# Allegro board 1155001-Timing_board_V3_20241024_1805_pcb.brd (continued)
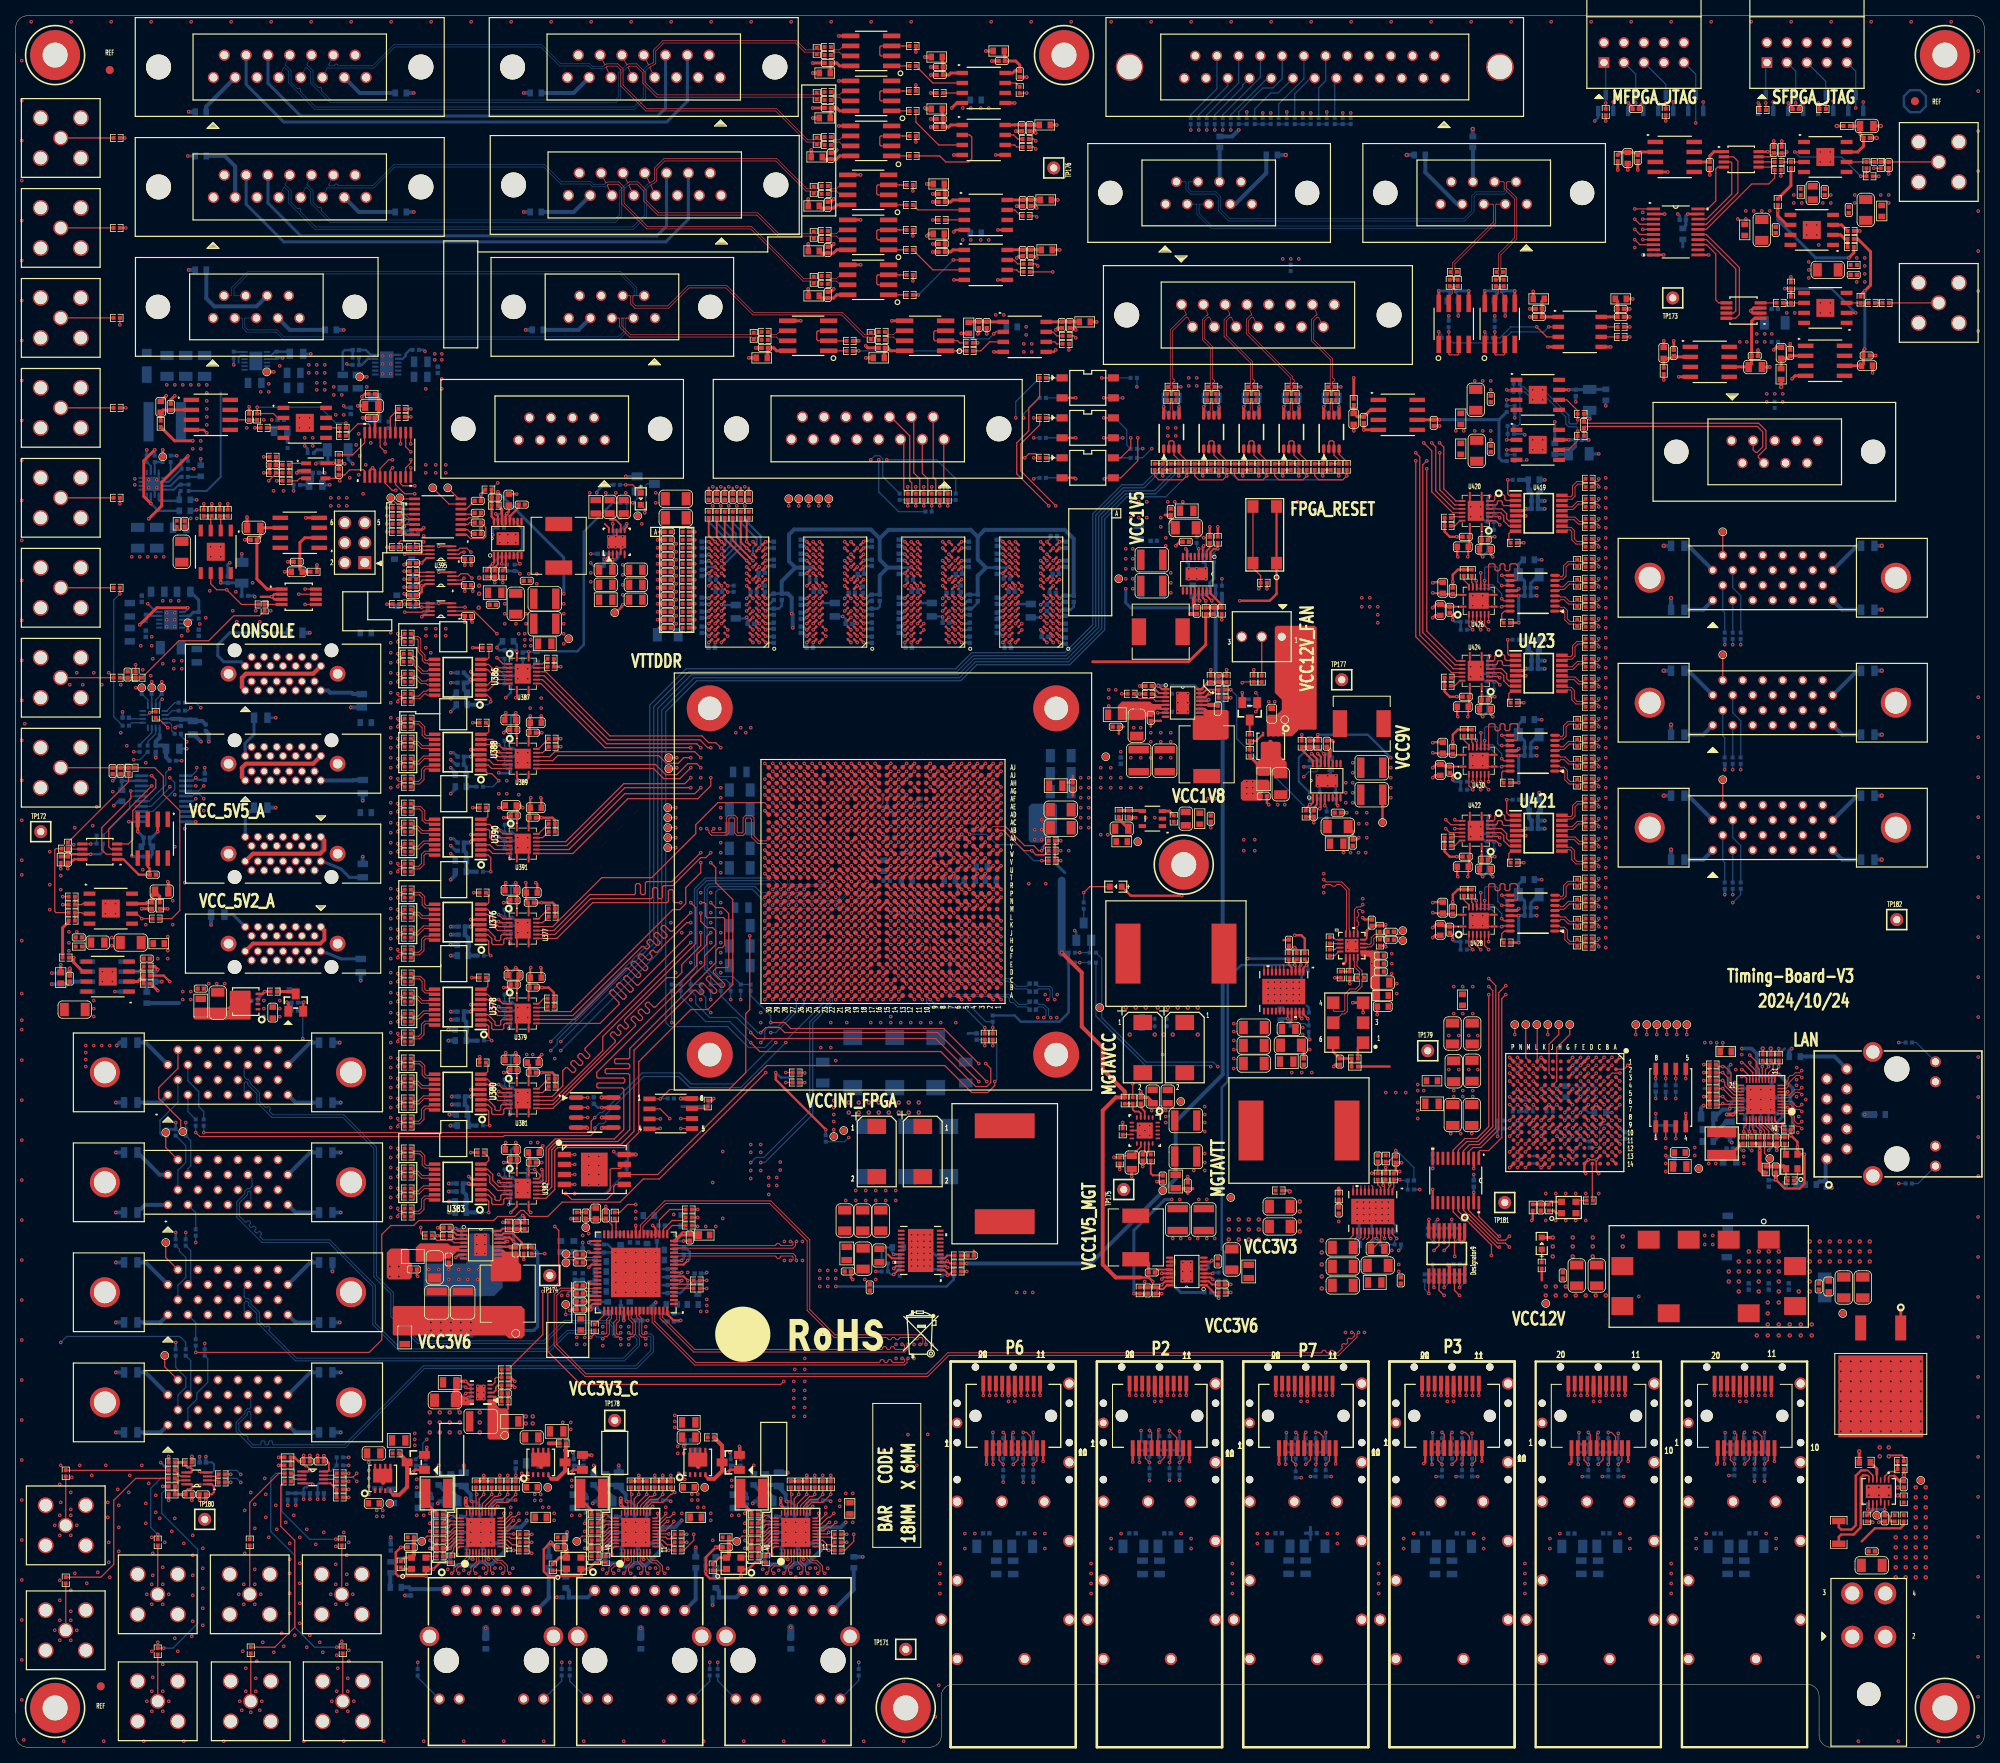
[diagram p0: board, top side]
## Routing (per net, layer and track width the routed paths; a pad name or vN(x,y) marks a point on that pad's centre or on a via; arc(x,y) is an arc through that point) (continued)
UART_RX_RS232: length 3.2
  TOP w0.157: U3.13 v1(49.4,156.01) 49.22,156.01 R2168.1
  BOTTOM w0.157: R2168.1 48.84,155.45 v1(49.4,156.01)
UART_TX: length 102.7
  TOP w0.157: R1922.1 v1(47.12,157.48) ; U247.F26 v1(99.14,100)
  ART05 w0.102: 94.73,98.17 95.16,98.6 96.3,98.6 96.54,98.83 96.54,98.96 96.97,99.4 98.54,99.4 v1(99.14,100)
  ART05 w0.117: 94.73,98.17 94.49,98.17 91.57,95.25 91.57,94.66 91.45,94.54 78.82,94.54 64.26,109.09 64.26,110.36 60.83,113.79 60.83,128.78 61.21,129.16 61.21,135.51 60.68,136.04 60.68,144.45 59.28,145.85 56.57,145.85 52.83,149.59 52.83,150.65 52.06,151.42 51.62,151.42 48.13,154.91 48.13,156.46 v1(47.12,157.48)
UART_TX_RS232: length 5.1
  TOP w0.157: U3.14 49.59,155.36 v1(49.35,155.12) R1925.1
  BOTTOM w0.157: v1(49.35,155.12) 49.91,155.68 49.91,156.21 49.66,156.46 R1924.1
VAC_REF0: length 7.8
  TOP w0.203: U245.8 171.37,102.6 171.58,102.81 171.58,103.12
  TOP w0.305: R991.2 173.88,101.83 v1(173.99,101.73) ; 171.58,103.12 171.58,103.74 C938.2 172.25,104.41 R992.2 173.88,104.41 v1(173.99,104.52)
  BOTTOM w0.305: v1(173.99,101.73) 173.99,101.73 v1(173.99,104.52)
VCXO_100M_N: length 11
  TOP w0.122: U245.4 170.42,99.94 170.34,99.85 170.34,99.28 170.98,98.64 170.98,98.02 R985.1 170.98,97.56 170.98,96.69 170.31,96.01 169.57,96.01 169.11,95.56 169.11,93.49 168.8,93.17 168.42,93.17 U103.5
VCXO_100M_P: length 11
  TOP w0.122: U103.4 167.32,93.62 167.44,93.5 168.66,93.5 168.78,93.62 168.78,95.7 169.43,96.34 170.17,96.34 170.65,96.82 170.65,97.56 R985.2 170.65,98.02 170.65,98.5 170.01,99.15 170.01,99.87 169.92,99.95 U245.3
VREG: length 128.4
  TOP w0.254: U113.18 v1(111.51,62.62) ; R1041.1 v1(120.78,61.47)
  ART03 w0.508: v1(111.51,62.62) 111.51,65.28 112.27,66.04 116.2,66.04 v1(120.78,61.47)
  BOTTOM w0.254: v1(111.51,62.62) 111.31,62.81 C1158.1 110.36,63.5 109.96,63.1 R1050.1
  BOTTOM w0.508: R1074.1 153.18,145.31 152.4,144.53 152.4,136.02 153.29,135.13 153.29,85.47 147.32,79.5 147.32,72.26 136.53,61.47 v1(120.78,61.47)
VREG5V_1: length 3.2
  TOP w0.157: U117.18 v1(172.84,64.64)
  BOTTOM w0.381: R1084.1 173.34,64.15 v1(172.84,64.64) 172.59,64.64 172.02,64.07 C1207.1
VREG5V_2: length 16.8
  TOP w0.254: R1091.1 162.69,101.35 v1(162.43,101.6) ; U118.18 v1(161.54,92.58)
  ART08 w0.381: v1(162.43,101.6) 158.37,97.54 158.37,93.98 159.77,92.58 v1(161.54,92.58)
  BOTTOM w0.381: R1099.1 161.91,92.21 v1(161.54,92.58) 160.85,92.58 C1217.1
VREG_N: length 13.6
  TOP w0.381: v1(17.65,164.85) 16.26,163.45 16.26,158.93 v1(17.17,158.02)
  BOTTOM w0.254: U392.11 17.15,158.5
  BOTTOM w0.305: 17.15,158.5 17.15,158.04 v1(17.17,158.02) 18.09,157.1 C3006.1 ; R3121.1 v1(17.65,164.85)
VRN_32: length 1.6
  TOP w0.157: U247.Y14 v1(112.14,115)
  BOTTOM w0.157: R160.2 112.12,115 v1(112.14,115)
VRN_33: length 1.6
  TOP w0.157: U247.Y13 v1(113.14,115)
  BOTTOM w0.157: R162.2 113.1,115 v1(113.14,115)
VRN_34: length 2.4
  TOP w0.157: U247.AC6 v1(120.14,118)
  BOTTOM w0.157: v1(120.14,118) 120.75,117.39 R163.2
VRP_32: length 1.6
  TOP w0.157: U247.AB14 v1(112.14,117)
  BOTTOM w0.157: v1(112.14,117) 111.53,117.61 R159.1
VRP_33: length 2.8
  TOP w0.157: U247.AD13 v1(113.14,119)
  BOTTOM w0.157: R161.1 114.7,119.51 113.64,119.51 v1(113.14,119)
VRP_34: length 2.5
  TOP w0.157: U247.AB7 v1(119.14,117)
  BOTTOM w0.157: R164.1 119.63,115.53 119.63,116.5 v1(119.14,117)
VTTDDR: length 2.8
  TOP w0.229: U23.5 77.33,151.15 ; U23.3 76.33,151.13
  TOP w0.305: TP48.1 76.2,144.15 76.96,144.91 76.96,145.03 v1(77.09,145.16)
  vias: v1(77.09,150.24) v1(77.09,148.97) v1(77.09,147.7) v1(77.09,146.43) v1(83.87,152.91) v1(83.87,151.89) v1(83.87,150.88) v1(83.87,149.86) v1(83.87,148.84) v1(83.87,147.83) v1(83.87,146.81) v1(83.87,145.8) v1(83.87,144.78) v1(83.87,143.76) v1(83.87,142.75) v1(88.52,157.73) v1(89.53,157.73) v1(90.55,157.73) v1(91.57,157.73) v1(92.58,157.73)
VTTVREF: length 127.5
  TOP w0.254: U77.H1 v1(95.23,145.97) ; U76.M8 v1(126.17,149.97) ; U23.6 77.33,154.8 77.6,155.07 v1(77.6,155.45) ; U75.H1 v1(120.12,145.97) ; U77.M8 v1(88.83,149.97) ; U75.M8 v1(113.72,149.97) ; U78.M8 v1(101.27,149.97) ; U78.H1 v1(107.67,145.97) ; U76.H1 v1(132.57,145.97)
  TOP w0.305: U247.AD7 v1(119.14,119) ; U247.AG8 v1(118.14,122) ; U247.AF13 v1(113.14,121) ; U247.AE14 v1(112.14,120) ; U247.AF16 v1(109.14,121) ; U247.AB13 v1(113.14,117)
  ART10 w0.381: v1(79.5,155.45) 86.23,155.45 87,154.69 87,150.75 87.63,150.11 88.68,150.11 v1(88.83,149.97)
  BOTTOM w0.254: C97.1 77.49,155.32 77.49,155.34 v1(77.6,155.45)
  BOTTOM w0.305: C575.1 87.52,149.63 87.87,149.97 v1(88.83,149.97) ; v1(112.14,120) 111.64,119.5 C492.1 ; C585.1 95.12,146.08 v1(95.23,145.97) 95.43,145.97 96.03,146.58 C595.1 C574.2 ; 123.21,149.88 C563.1 126.08,149.88 v1(126.17,149.97) ; C576.2 C613.1 108.48,146.45 108,145.97 v1(107.67,145.97) 107.57,146.08 C577.1 ; C490.1 108.67,121.47 v1(109.14,121) ; C461.1 113.64,116.5 v1(113.14,117) ; C573.1 132.1,146.44 v1(132.57,145.97) 132.92,146.32 C545.1 C544.2 ; C491.1 112.62,121.52 v1(113.14,121) ; v1(119.14,119) 119.61,118.53 119.64,118.53 C462.1 ; C187.2 C507.1 120.8,146.45 120.32,145.97 v1(120.12,145.97) 120.02,146.08 C520.1 ; C506.1 113.63,149.88 v1(113.72,149.97) ; v1(118.14,122) 118.65,122.52 C463.1
  BOTTOM w0.508: C576.2 109.73,148.88 110.72,149.88 ; 109.73,153.59 110.83,154.69 121.28,154.69 122.17,153.8 ; 109.73,153.59 109.73,150.88 110.72,149.88 ; 109.73,153.59 108.6,154.72 98.84,154.72 98.21,154.09 98.21,150.69 99.01,149.88 ; 122.17,153.8 123.06,154.69 133.22,154.69 134.37,153.54 C544.2 ; 122.17,153.8 122.17,150.91 123.21,149.88 122.17,148.84 C187.2 ; 110.72,149.88 C506.1 ; 99.01,149.88 97.28,148.15 C574.2 98.04,146.58 98.55,146.07 v1(98.55,144.02) 98.68,143.89 v1(98.68,142.24) ; 99.01,149.88 C623.1 101.18,149.88 v1(101.27,149.97)
W_DRIVER_5V: length 4.6
  TOP w0.381: L462.2 v1(107.95,176.53) ; L459.2 v1(93.09,176.53) ; L460.2 v1(120.08,179.64)
  BOTTOM w0.508: L400.1 v1(41.66,180.09) ; v1(64.77,180.09) L401.1
W_DRIVER_GND: length 22.2
  TOP w0.305: R3061.2 v1(122.17,178.44)
  TOP w0.381: v1(122.17,179.58) 122.3,179.71 C2970.1 ; C2974.1 108.2,177.8 v1(107.95,178.05) ; U404.5 v1(111.26,181.24) ; U403.4 v1(124.21,177.29) ; U402.5 v1(99.69,181.24) ; R3055.2 v1(107.06,178.69) ; C2971.2 v1(123.32,179.58) ; C2969.1 v1(93.98,177.8)
  BOTTOM w0.508: J87.8 30.57,183.07 25.21,183.07 24.2,184.08 L338.1
  vias: v1(124.46,181.99) v1(125.48,181.99)
W_ENCODER_MA_IN: length 20.1
  TOP w0.157: v1(124.21,179.58) 124.46,179.83 U403.2 ; R3059.1 v1(107.06,177.42)
  BOTTOM w0.157: v1(107.06,177.42) 119.76,177.42 121.28,178.94 123.57,178.94 v1(124.21,179.58)
W_ENCODER_MA_IN+: length 75.6
  TOP w0.089: R3057.2 94.36,179.47 93.98,179.47 R3058.1 93.47,179.47 78.09,179.47 76.98,180.58 76.98,181.5 77.07,181.59 J89.2
  BOTTOM w0.089: J89.2 77.55,181.59 77.46,181.5 77.46,179.7 76.67,178.9 33.95,178.9 33.06,179.79 29.34,179.79 29.19,179.94 29.19,179.94 28.79,180.35 28.79,181.5 28.7,181.59 J87.2
W_ENCODER_MA_IN-: length 75.6
  TOP w0.089: J89.3 76.6,181.59 76.69,181.5 76.69,180.46 77.96,179.18 93.47,179.18 R3058.2 93.98,179.18 94.36,179.18 R3056.2
  BOTTOM w0.089: J89.3 77.08,181.59 77.17,181.5 77.17,179.82 76.55,179.2 34.07,179.2 33.18,180.09 29.46,180.09 29.26,180.29 29.08,180.47 29.08,181.5 29.17,181.59 J87.3
W_ENCODER_MA_IN_FPGA: length 230.9
  TOP w0.157: U247.C14 v1(111.14,97) ; R3060.1 134.37,179.32 v1(134.62,179.07)
  ART05 w0.102: 111.65,94.5 111.74,94.59 111.74,95.56 111.69,95.61 111.69,96.45 v1(111.14,97)
  ART05 w0.117: 111.65,94.5 110.59,93.44 110.59,91.03 101.14,81.58 74.88,81.58 74.68,81.79 68.52,81.79 63.48,86.82 62.71,86.82 61.72,87.81 61.72,89.66 59.67,91.72 58.83,91.72 53.21,97.33 53.21,139.83 52.45,140.59 51.94,140.59 51.56,140.97 51.56,141.58 v1(52.1,142.11)
  ART08 w0.117: v1(52.1,142.11) 54.86,144.88 54.86,155.58 61.59,162.31 123.92,162.31 134.62,173 v1(134.62,179.07)
W_ENCODER_SLO_IN: length 4.3
  TOP w0.157: U403.3 123.7,178.56 122.56,177.42 R3065.1
W_ENCODER_SLO_IN+: length 94.7
  TOP w0.089: J89.6 78.46,184.43 78.38,184.34 78.38,183.5 78.74,183.13 82.8,183.13 85.38,185.71 90.32,185.71 93.75,182.28 105,182.28 107.82,179.47 108.33,179.47 R3064.1 108.84,179.47 109.22,179.47 R3063.2
  BOTTOM w0.089: J89.6 78.92,184.43 78.83,184.52 78.83,185.49 76.83,187.49 29.44,187.49 27.42,185.46 27.42,184.52 27.33,184.43 J87.6
W_ENCODER_SLO_IN-: length 94.8
  TOP w0.089: R3062.2 109.22,179.18 108.84,179.18 R3064.2 108.33,179.18 107.7,179.18 104.88,181.99 93.62,181.99 90.2,185.42 85.5,185.42 82.93,182.84 78.62,182.84 78.08,183.38 78.08,184.34 77.99,184.43 J89.7
  BOTTOM w0.089: J87.7 27.8,184.43 27.71,184.52 27.71,185.34 29.57,187.2 76.71,187.2 78.54,185.37 78.54,184.52 78.45,184.43 J89.7
W_ENCODER_SLO_IN_FPGA: length 229.4
  TOP w0.157: U247.B13 v1(112.14,96) ; v1(133.75,177.55) R3066.1
  ART05 w0.102: v1(112.14,96) 112.14,95.57 112.54,95.17 112.54,94.5 112.28,94.25
  ART05 w0.117: 112.28,94.25 111.86,93.82 111.86,91.28 101.56,80.99 83.53,80.99 82.99,80.45 69,80.45 63.21,86.23 62.19,86.23 59.31,89.12 59.31,90.3 52.45,97.16 52.45,138.3 52.07,138.68 v1(52.07,139.7)
  ART08 w0.117: v1(133.75,177.55) 133.75,172.67 123.77,162.69 61.47,162.69 53.21,154.43 53.21,144.02 51.56,142.37 51.56,140.21 v1(52.07,139.7)
X_DRIVER_5V: length 6
  TOP w0.381: v1(115.44,208.28) 115.57,208.15 L466.2 ; L468.2 v1(115.44,214.76) ; L464.2 v1(101.22,207.01) ; L463.2 v1(101.03,202.95) ; L465.2 v1(101.22,212.72)
  BOTTOM w0.508: L406.1 v1(50.55,210.19) ; L407.1 v1(64.52,210.19)
X_DRIVER_5V_ADD: length 6.8
  TOP w0.381: L537.2 v1(192.72,184.98)
  BOTTOM w0.381: L538.2 v1(183.2,181.86) ; L539.2 v1(189.17,181.86)
  BOTTOM w0.508: L534.1 v2(176.66,202.31) ; L533.1 v2(161.29,202.31)
X_DRIVER_GND: length 23.1
  TOP w0.305: R3072.2 v1(114.32,211.2) ; R3077.2 v1(114.32,215.39) ; R3067.2 v1(114.32,203.96)
  TOP w0.381: C2975.1 103.91,202.58 v1(104.27,202.95) ; U408.4 v1(119.13,202.31) ; C2983.2 v1(116.2,212.47) ; U409.4 119.51,208.91 v1(118.87,208.28) ; R3104.2 v1(116.2,210.19) ; U407.5 v1(104.52,217.43) ; U406.5 v1(104.52,211.72) ; C2979.2 v1(116.2,205.87) ; U405.5 v1(104.52,206) ; C2978.1 v1(116.2,206.88) ; C2976.1 v1(101.22,208.28) ; C2982.1 v1(116.2,213.49) ; C2977.1 v1(101.22,214)
  BOTTOM w0.508: J92.2 24.19,208.48 L339.2
  vias: v1(27.36,219.24) v1(32.44,219.24) v1(37.52,219.24) v1(42.6,219.24) v1(47.68,219.24) v1(52.76,219.24) v1(57.84,219.24) v1(62.92,219.24) v1(68,219.24) v1(73.08,219.24) v1(78.16,219.24) v1(83.24,219.24) v1(88.32,219.24) v1(93.4,219.24) v1(98.48,219.24) v1(103.56,219.24) v1(108.64,219.24) v1(113.72,219.24) v1(120.27,208.28) v1(121.28,208.28)
X_DRIVER_GND_ADD: length 19.1
  TOP w0.381: U458.5 v1(184.53,185.04) ; C3148.2 v1(192.28,182.75) ; U457.4 v1(194.56,177.93) ; U459.5 v1(190.37,185.04) ; C3147.1 v1(192.28,181.74)
  BOTTOM w0.381: R3415.2 v1(181.99,181.86) ; C3150.1 v1(190.37,185.04) ; C3149.1 v1(184.53,185.04) ; R3420.2 v1(187.83,181.86)
  BOTTOM w0.508: J131.8 152.91,198.93 L532.1 ; L535.1 185.07,203.24 J132.8
X_ENCODER_A_IN: length 11.7
  TOP w0.157: U408.2 121.16,204.85 121.41,204.6 121.41,201.8 121.03,201.42 118.11,201.42 117.35,202.18 R3071.1
X_ENCODER_A_IN+: length 75.2
  TOP w0.089: R3069.2 102.36,204.24 101.98,204.24 R3070.1 101.47,204.24 100.58,204.24 96.63,208.19 80.13,208.19 77.13,211.2 77.13,213.23 76.47,213.88 75.07,213.88 74.9,213.8 74.78,213.84 J86.14
  BOTTOM w0.089: J86.14 74.81,213.79 74.76,213.67 74.61,213.59 74.57,213.56 73.24,213.56 72.89,213.91 69.21,213.91 66.8,216.32 48.01,216.32 45.34,213.64 40.96,213.64 40.87,213.73 40.87,213.78 40.78,213.87 40.6,213.87 40.51,213.78 40.51,213.73 40.43,213.64 39.84,213.64 39.79,213.67 39.75,213.79 J92.14
X_ENCODER_A_IN-: length 75.3
  TOP w0.089: R3068.2 102.36,203.94 101.98,203.94 R3070.2 101.47,203.94 100.46,203.94 96.51,207.9 80.01,207.9 76.83,211.07 76.83,213.11 76.35,213.59 75.14,213.59 75.03,213.54 75.03,213.54 74.99,213.42 J86.6
  BOTTOM w0.089: J92.6 39.54,213.37 39.66,213.41 39.77,213.35 45.46,213.35 48.13,216.03 66.67,216.03 69.09,213.61 72.77,213.61 73.12,213.27 74.69,213.27 74.78,213.35 74.89,213.41 75.01,213.37 J86.6
X_ENCODER_A_IN_FPGA: length 234.9
  TOP w0.157: v1(129.54,204.09) 129.29,204.34 R3082.1 ; U247.A20 v1(105.14,95)
  ART05 w0.102: v1(105.14,95) 104.64,94.5
  ART05 w0.117: 104.64,94.5 104.64,94.35 98.8,88.51 93.98,88.51 90.57,85.11 79.1,85.11 66.67,97.54 62.61,97.54 57.28,102.87 57.28,106.05 54.74,108.58 54.74,140.84 54.61,140.97 v1(54.61,141.22)
  ART08 w0.117: v1(129.54,204.09) 130.05,203.58 130.05,197.55 136.78,190.82 136.78,169.54 126.36,159.13 87,159.13 82.8,154.94 67.44,154.94 63.69,151.19 59.63,151.19 57.51,149.07 57.51,144.12 v1(54.61,141.22)
X_ENCODER_B_IN: length 8.5
  TOP w0.157: 120.21,203.58 117.22,203.58 114.32,206.48 R3076.1
X_ENCODER_B_IN+: length 79.2
  TOP w0.089: R3074.2 102.36,209.95 101.98,209.95 R3075.1 101.47,209.95 81.51,209.95 79.92,211.54 79.92,212.85 78.88,213.88 77.84,213.88 77.67,213.8 77.55,213.84 J86.13
  BOTTOM w0.089: J92.13 36.98,213.79 37.02,213.67 37.18,213.59 37.76,213.01 37.76,211.54 38.42,210.88 38.55,210.88 38.59,210.92 38.71,210.92 38.84,210.79 38.84,210.66 38.8,210.62 38.8,210.5 40,209.3 76.17,209.3 76.54,209.67 76.54,212.76 77.38,213.59 77.53,213.67 77.58,213.79 J86.13
X_ENCODER_B_IN-: length 79.2
  TOP w0.089: R3073.2 102.36,209.66 101.98,209.66 R3075.2 101.47,209.66 81.39,209.66 79.63,211.42 79.63,212.72 78.76,213.59 77.91,213.59 77.8,213.54 77.8,213.54 77.76,213.42 J86.5
  BOTTOM w0.089: J92.5 36.77,213.37 36.89,213.41 37.01,213.35 37.47,212.89 37.47,211.42 39.88,209 76.29,209 76.83,209.55 76.83,212.64 77.55,213.35 77.66,213.41 77.78,213.37 J86.5
X_ENCODER_B_IN_FPGA: length 232.7
  TOP w0.157: R3083.1 129.29,203.33 v1(129.54,203.07) ; U247.A21 v1(104.14,95)
  ART05 w0.117: v1(104.14,95) 104.14,94.27 98.69,88.82 93.77,88.82 90.35,85.4 79.44,85.4 66.93,97.92 64.01,97.92 58.8,103.12 58.8,106.05 56.01,108.84 56.01,140.59 54.61,141.99 v1(54.61,142.11)
  ART08 w0.117: v1(54.61,142.11) 56.39,143.89 56.39,150.37 56.77,150.75 58.67,150.75 59.44,151.51 63.5,151.51 67.94,155.96 83.31,155.96 86.87,159.51 126.21,159.51 136.4,169.7 136.4,190.66 129.54,197.52 v1(129.54,203.07)
X_ENCODER_MA_IN: length 15.1
  TOP w0.157: 195.9,180.47 v1(194.69,180.47)
  BOTTOM w0.157: v1(194.69,180.47) 194.06,179.83 189.95,179.83 188.55,178.44 182.52,178.44 R3416.1
X_ENCODER_MA_IN+: length 58.7
  TOP w0.089: R3418.2 182.86,186.46 182.77,186.54 182.77,187.2 R3419.1 182.77,187.71 182.77,188.49 187.95,193.67 187.95,195.98 188.04,196.06 J132.2
  BOTTOM w0.089: J131.2 149.91,196.06 149.99,195.98 149.99,194.78 151.77,193 187.69,193 187.95,193.26 187.95,195.98 188.04,196.06 J132.2
X_ENCODER_MA_IN-: length 57.7
  TOP w0.089: R3417.2 182.39,186.46 182.48,186.54 182.48,187.2 R3419.2 182.48,187.71 182.48,188.61 187.66,193.79 187.66,195.98 187.57,196.06 J132.3
  BOTTOM w0.089: J131.3 150.38,196.06 150.29,195.98 150.29,194.9 151.89,193.29 187.57,193.29 187.66,193.38 187.66,195.98 187.57,196.06 J132.3
X_ENCODER_MA_IN_FPGA: length 190.4
  TOP w0.157: v1(95.14,121) U247.AF30 ; R3413.1 v1(204.98,180.47)
  ART05 w0.117: v1(95.14,121) 94.98,121.16 94.11,121.16 90.25,125.02 88.35,125.02 87.21,126.16 85.29,126.16 77.83,133.63 77.83,154.33 77.18,154.97 77.18,157.57 78.61,159 78.61,159.51 82.02,162.92 125.98,162.92 127.62,164.56 130.1,164.56 130.61,164.05 139.21,164.05 139.74,163.52 168.58,163.52 170.18,161.93 183.99,161.93 188.05,165.98 188.05,167.89 192.16,172 198.76,172 204.56,177.8 204.56,180.05 v1(204.98,180.47)
X_ENCODER_P: length 62.9
  BOTTOM w0.381: J86.11 82.53,208.26 81.53,207.26 36.2,207.26 32.03,211.43 J92.11
X_ENCODER_Q: length 68.7
  BOTTOM w0.381: J92.10 29.26,211.28 34.04,206.5 82.68,206.5 85.3,209.12 J86.10
X_ENCODER_SLO_IN: length 9.4
  TOP w0.157: v1(193.17,180.47) 194.44,179.2 U457.3
  BOTTOM w0.157: v1(193.17,180.47) 189.87,180.47 188.47,179.07 R3421.1
X_ENCODER_SLO_IN+: length 66.1
  TOP w0.089: R3423.2 188.7,186.46 188.61,186.54 188.61,187.2 R3424.1 188.61,187.71 188.61,189.63 190.63,191.64 190.63,196.85 189.32,198.16 189.32,198.82 189.41,198.91 J132.6
  BOTTOM w0.089: J131.6 148.54,198.91 148.62,198.82 148.62,197.93 149.21,197.34 152.29,197.34 152.73,196.9 152.73,195.25 154.05,193.93 184.02,193.93 185.21,195.12 185.21,196.99 185.56,197.34 189.08,197.34 189.32,197.58 189.32,198.82 189.41,198.91 J132.6
X_ENCODER_SLO_IN-: length 65.1
  TOP w0.089: J132.7 188.94,198.91 189.03,198.82 189.03,198.03 190.33,196.73 190.33,191.76 188.32,189.75 188.32,187.71 R3424.2 188.32,187.2 188.32,186.54 188.23,186.46 R3422.2
  BOTTOM w0.089: J131.7 149.01,198.91 148.92,198.82 148.92,198.05 149.33,197.63 152.41,197.63 153.03,197.02 153.03,195.37 154.17,194.22 183.9,194.22 184.92,195.24 184.92,197.11 185.44,197.63 188.96,197.63 189.03,197.7 189.03,198.82 188.94,198.91 J132.7
X_ENCODER_SLO_IN_FPGA: length 187.7
  TOP w0.157: U247.AJ29 v1(96.14,124) ; R3414.1 v1(204.98,179.2)
  ART05 w0.117: v1(204.98,179.2) 204.98,177.8 198.88,171.7 192.28,171.7 188.34,167.77 188.34,165.86 184.11,161.63 170.06,161.63 168.46,163.23 139.62,163.23 139.09,163.76 130.48,163.76 129.98,164.27 127.75,164.27 126.11,162.63 82.21,162.63 78.99,159.41 78.99,157.89 78.13,157.02 78.13,133.9 85.46,126.57 87.3,126.57 88.52,125.35 90.42,125.35 91.77,124 v1(96.14,124)
X_ENCODER_Z_IN: length 6.8
  TOP w0.157: R3081.1 116.48,211.46 120.21,211.46
X_ENCODER_Z_IN+: length 83.2
  TOP w0.089: J86.12 80.33,213.83 80.45,213.79 80.45,213.79 80.92,214.02 80.99,214.08 80.99,215.64 82.17,216.83 99.15,216.83 100.31,215.67 101.47,215.67 R3080.1 101.98,215.67 102.36,215.67 R3079.2
  BOTTOM w0.089: J86.12 80.35,213.79 80.3,213.67 80.15,213.59 79.72,213.16 79.72,209.64 78.49,208.41 38.1,208.41 36.14,210.37 36.14,210.49 36.18,210.53 36.18,210.66 36.05,210.78 35.93,210.78 35.89,210.74 35.76,210.74 34.96,211.54 34.96,213.04 34.41,213.59 34.25,213.67 34.21,213.79 J92.12
X_ENCODER_Z_IN-: length 83.2
  TOP w0.089: R3078.2 102.36,215.37 101.98,215.37 R3080.2 101.47,215.37 100.19,215.37 99.03,216.53 82.3,216.53 81.28,215.52 81.28,213.96 81.09,213.78 80.57,213.52 80.53,213.4 J86.4
  BOTTOM w0.089: J86.4 80.55,213.37 80.43,213.41 80.32,213.35 80.01,213.04 80.01,209.52 78.61,208.11 37.98,208.11 34.67,211.42 34.67,212.92 34.23,213.35 34.12,213.41 34,213.37 J92.4
X_ENCODER_Z_IN_FPGA: length 252
  TOP w0.157: R3084.1 v1(128.4,210.17) ; U247.B18 v1(107.14,96)
  ART05 w0.102: 107.57,94.74 107.57,95.57 v1(107.14,96)
  ART05 w0.117: v1(53.34,142.11) 53.98,141.48 53.98,140.72 54.36,140.34 54.36,99.67 61.88,92.15 64.52,92.15 67.55,89.12 67.98,89.12 73.21,83.89 91.75,83.89 95.16,87.3 101.27,87.3 104.9,90.93 104.9,92.33 106.17,93.6 106.43,93.6 107.57,94.74
  ART08 w0.117: v1(128.4,210.17) 128.4,192.79 135.64,185.55 135.64,171.83 128.65,164.85 127.64,164.85 123.83,161.04 63.5,161.04 55.63,153.16 55.63,144.4 v1(53.34,142.11)
XADC_AGND: length 2.1
  TOP w0.305: U247.P14 v1(112.14,108) ; U247.T15 v1(111.14,111) ; U247.R14 v1(112.14,109)
XADC_VCC: length 0.7
  TOP w0.305: U247.P15 v1(111.14,108)
Z_DRIVER_5V: length 6.2
  TOP w0.381: L473.2 115.95,192.28 v1(115.7,192.02) ; L470.2 v1(100.65,185.29) ; L472.2 v1(100.65,196.72) ; L471.2 v1(100.65,191.01) ; v1(115.7,198.63) L475.2
  BOTTOM w0.508: L415.1 v1(64.52,195.07) ; L414.1 v1(50.55,195.07)
Z_DRIVER_GND: length 24.6
  TOP w0.305: R3085.2 v1(113.94,186.31) ; R3095.2 v1(113.94,197.74) ; U413.4 v1(119.13,186.44) ; U414.4 119.38,192.79 v1(119.13,192.53) ; R3090.2 v1(113.94,192.02) ; R3103.2 v1(116.46,194.06)
  TOP w0.381: C2988.1 103.52,196.36 v1(103.89,196.72) ; C2994.2 v1(116.46,197.36) ; v1(103.89,191.01) 103.52,190.65 C2987.1 ; U411.5 v1(107.31,194.07) ; C2993.1 v1(116.46,196.34) ; C2989.1 v1(116.46,189.99) ; C2986.1 103.52,184.93 v1(103.89,185.29) ; C2990.2 v1(116.46,191.01) ; U412.5 v1(107.31,199.78) ; U410.5 v1(107.31,188.35)
  BOTTOM w0.508: J91.2 27.87,200.85 26.54,202.18 L342.2
  vias: v1(120.27,191.52) v1(121.28,191.52)
Z_ENCODER_A_IN: length 8.4
  TOP w0.157: U413.2 v1(119.08,188.98) ; v1(114.63,184.53) R3089.1
  BOTTOM w0.157: v1(119.08,188.98) v1(114.63,184.53)
Z_ENCODER_A_IN+: length 75.9
  TOP w0.089: R3087.2 101.98,186.58 101.6,186.58 R3088.1 101.09,186.58 100.09,186.58 93.47,193.21 80.26,193.21 77.25,196.21 77.25,198.24 76.62,198.88 75.21,198.88 75.04,198.79 74.92,198.83 J93.14
  BOTTOM w0.089: J93.14 74.93,198.8 74.89,198.68 74.73,198.61 74.7,198.57 73.37,198.57 73.02,198.92 69.34,198.92 67.18,201.08 48.01,201.08 45.34,198.4 40.96,198.4 40.87,198.49 40.87,198.54 40.78,198.63 40.6,198.63 40.51,198.54 40.51,198.49 40.43,198.4 39.84,198.4 39.79,198.43 39.75,198.55 J91.14
Z_ENCODER_A_IN-: length 75.8
  TOP w0.089: R3086.2 101.98,186.29 101.6,186.29 R3088.2 101.09,186.29 99.97,186.29 93.34,192.91 80.14,192.91 76.96,196.09 76.96,198.12 76.5,198.59 75.28,198.59 75.16,198.53 75.12,198.41 J93.6
  BOTTOM w0.089: J91.6 39.54,198.13 39.66,198.17 39.77,198.11 45.46,198.11 48.13,200.79 67.06,200.79 69.22,198.63 72.9,198.63 73.24,198.28 74.82,198.28 74.91,198.37 75.02,198.42 75.14,198.38 J93.6
Z_ENCODER_A_IN_FPGA: length 237.4
  TOP w0.157: R3100.1 129.54,188.47 v1(129.79,188.21) ; U247.A13 v1(112.14,95)
  ART05 w0.102: v1(112.14,95) 111.94,94.8 111.94,94.5
  ART05 w0.117: v1(52.7,139.06) 52.83,138.94 52.83,97.3 59.91,90.22 59.91,88.93 62.32,86.53 63.34,86.53 69.12,80.74 82.78,80.74 83.31,81.28 101.35,81.28 111.56,91.5 111.56,93.97 111.94,94.34 111.94,94.5
  ART08 w0.117: v1(129.79,188.21) 129.79,170.31 128.71,169.23 128.71,168.21 123.57,163.07 61.34,163.07 52.83,154.56 52.83,144.15 51.18,142.49 51.18,139.83 51.94,139.06 v1(52.7,139.06)
Z_ENCODER_B_IN: length 7.6
  TOP w0.157: U413.3 116.48,187.71 R3094.1
Z_ENCODER_B_IN+: length 80.1
  TOP w0.089: R3092.2 101.98,192.3 101.6,192.3 R3093.1 101.09,192.3 96.91,192.3 94.25,194.96 81.64,194.96 80.05,196.56 80.05,197.86 79.01,198.9 77.97,198.9 77.8,198.81 77.68,198.85 J93.13
  BOTTOM w0.089: J93.13 77.7,198.8 77.66,198.68 77.5,198.61 76.67,197.77 76.67,194.69 76.04,194.06 40,194.06 38.8,195.26 38.8,195.38 38.84,195.42 38.84,195.55 38.71,195.68 38.59,195.68 38.55,195.64 38.42,195.64 37.76,196.3 37.76,197.77 37.18,198.35 37.02,198.43 36.98,198.55 J91.13
Z_ENCODER_B_IN-: length 80.1
  TOP w0.089: R3091.2 101.98,192 101.6,192 R3093.2 101.09,192 96.79,192 94.13,194.67 81.52,194.67 79.76,196.44 79.76,197.74 78.89,198.61 78.04,198.61 77.92,198.55 77.88,198.43 J93.5
  BOTTOM w0.089: J93.5 77.91,198.38 77.79,198.42 77.68,198.37 76.96,197.65 76.96,194.56 76.16,193.76 39.88,193.76 37.47,196.18 37.47,197.65 37.01,198.11 36.89,198.17 36.77,198.13 J91.5
Z_ENCODER_B_IN_FPGA: length 238.7
  TOP w0.157: R3101.1 v1(131.7,187.45) ; U247.C15 v1(110.14,97)
  ART05 w0.102: 110.67,94.5 110.74,94.57 110.74,96.4 v1(110.14,97)
  ART05 w0.117: v1(52.1,141.22) 52.35,141.22 53.59,139.98 53.59,99.26 61.98,90.88 64.11,90.88 66.27,88.72 66.27,87.35 71.54,82.08 75.02,82.08 75.18,81.92 94.45,81.92 97.43,84.89 103.44,84.89 109.32,90.78 109.32,93.15 110.67,94.5
  ART08 w0.117: v1(131.7,187.45) 135.25,183.9 135.25,173.1 124.08,161.93 63.88,161.93 62.04,160.08 61.15,160.08 55.24,154.18 55.24,144.65 52.7,142.11 52.7,141.83 v1(52.1,141.22)
Z_ENCODER_P: length 63.2
  BOTTOM w0.381: J91.11 32.03,196.19 36.2,192.02 81.41,192.02 82.65,193.27 J93.11
Z_ENCODER_Q: length 68.9
  BOTTOM w0.381: J93.10 85.42,194.13 82.55,191.26 34.04,191.26 29.26,196.04 J91.10
Z_ENCODER_Z_IN: length 6.8
  TOP w0.157: U414.2 114.57,195.33 R3099.1
Z_ENCODER_Z_IN+: length 84
  TOP w0.089: R3097.2 101.98,198.01 101.6,198.01 R3098.1 101.09,198.01 100.47,198.01 96.64,201.84 82.3,201.84 81.11,200.65 81.11,199.15 80.95,198.98 80.58,198.8 80.57,198.8 80.46,198.84 J93.12
  BOTTOM w0.089: J91.12 34.21,198.55 34.25,198.43 34.41,198.35 34.96,197.8 34.96,196.3 35.76,195.5 35.89,195.5 35.93,195.54 36.05,195.54 36.18,195.42 36.18,195.29 36.14,195.25 36.14,195.13 38.1,193.17 78.36,193.17 79.84,194.65 79.84,198.18 80.27,198.61 80.43,198.68 80.47,198.8 J93.12
Z_ENCODER_Z_IN-: length 84
  TOP w0.089: R3096.2 101.98,197.72 101.6,197.72 R3098.2 101.09,197.72 100.35,197.72 96.52,201.55 82.42,201.55 81.41,200.53 81.41,199.03 81.12,198.74 80.7,198.54 80.66,198.42 J93.4
  BOTTOM w0.089: J93.4 80.68,198.38 80.56,198.42 80.45,198.37 80.29,198.21 80.14,198.06 80.14,194.53 78.48,192.87 37.98,192.87 34.67,196.18 34.67,197.68 34.23,198.11 34.12,198.17 34,198.13 J91.4
Z_ENCODER_Z_IN_FPGA: length 241.5
  TOP w0.157: R3102.1 129.54,194.56 v1(129.67,194.44) ; U247.B15 v1(110.14,96)
  ART05 w0.102: 110.25,94.5 110.54,94.78 110.54,95.6 v1(110.14,96)
  ART05 w0.117: v1(53.34,141.22) 53.34,140.72 53.98,140.08 53.98,99.39 61.57,91.8 64,91.8 67.27,88.52 67.27,86.77 71.03,83.01 95,83.01 97.18,85.19 103.22,85.19 109.02,90.99 109.02,93.27 110.25,94.5
  ART08 w0.117: v1(129.67,194.44) 136.02,188.09 136.02,169.86 126.81,160.66 87.5,160.66 83.19,156.34 67.82,156.34 63.37,151.89 59.31,151.89 58.55,151.13 56.52,151.13 56.01,150.62 56.01,144.27 54.1,142.37 54.1,141.99 v1(53.34,141.22)
$7N578: length 1
  BOTTOM w0.157: C217.1 R233.1
$7N830: length 1.8
  BOTTOM w0.157: Q15.3 R396.1
$7N832: length 4.9
  TOP w0.157: DS10.2 136.4,109.35 v1(135.64,108.58)
  BOTTOM w0.157: R396.2 v1(135.64,108.58)
$36N205: length 1.5
  TOP w0.305: U247.W8 v1(117.14,114)
  BOTTOM w0.305: R165.2 116.74,113.61 v1(117.14,114)
